# Altium PCB SOM Board with RK3399.PcbDoc (part 1 of 5) (continued)
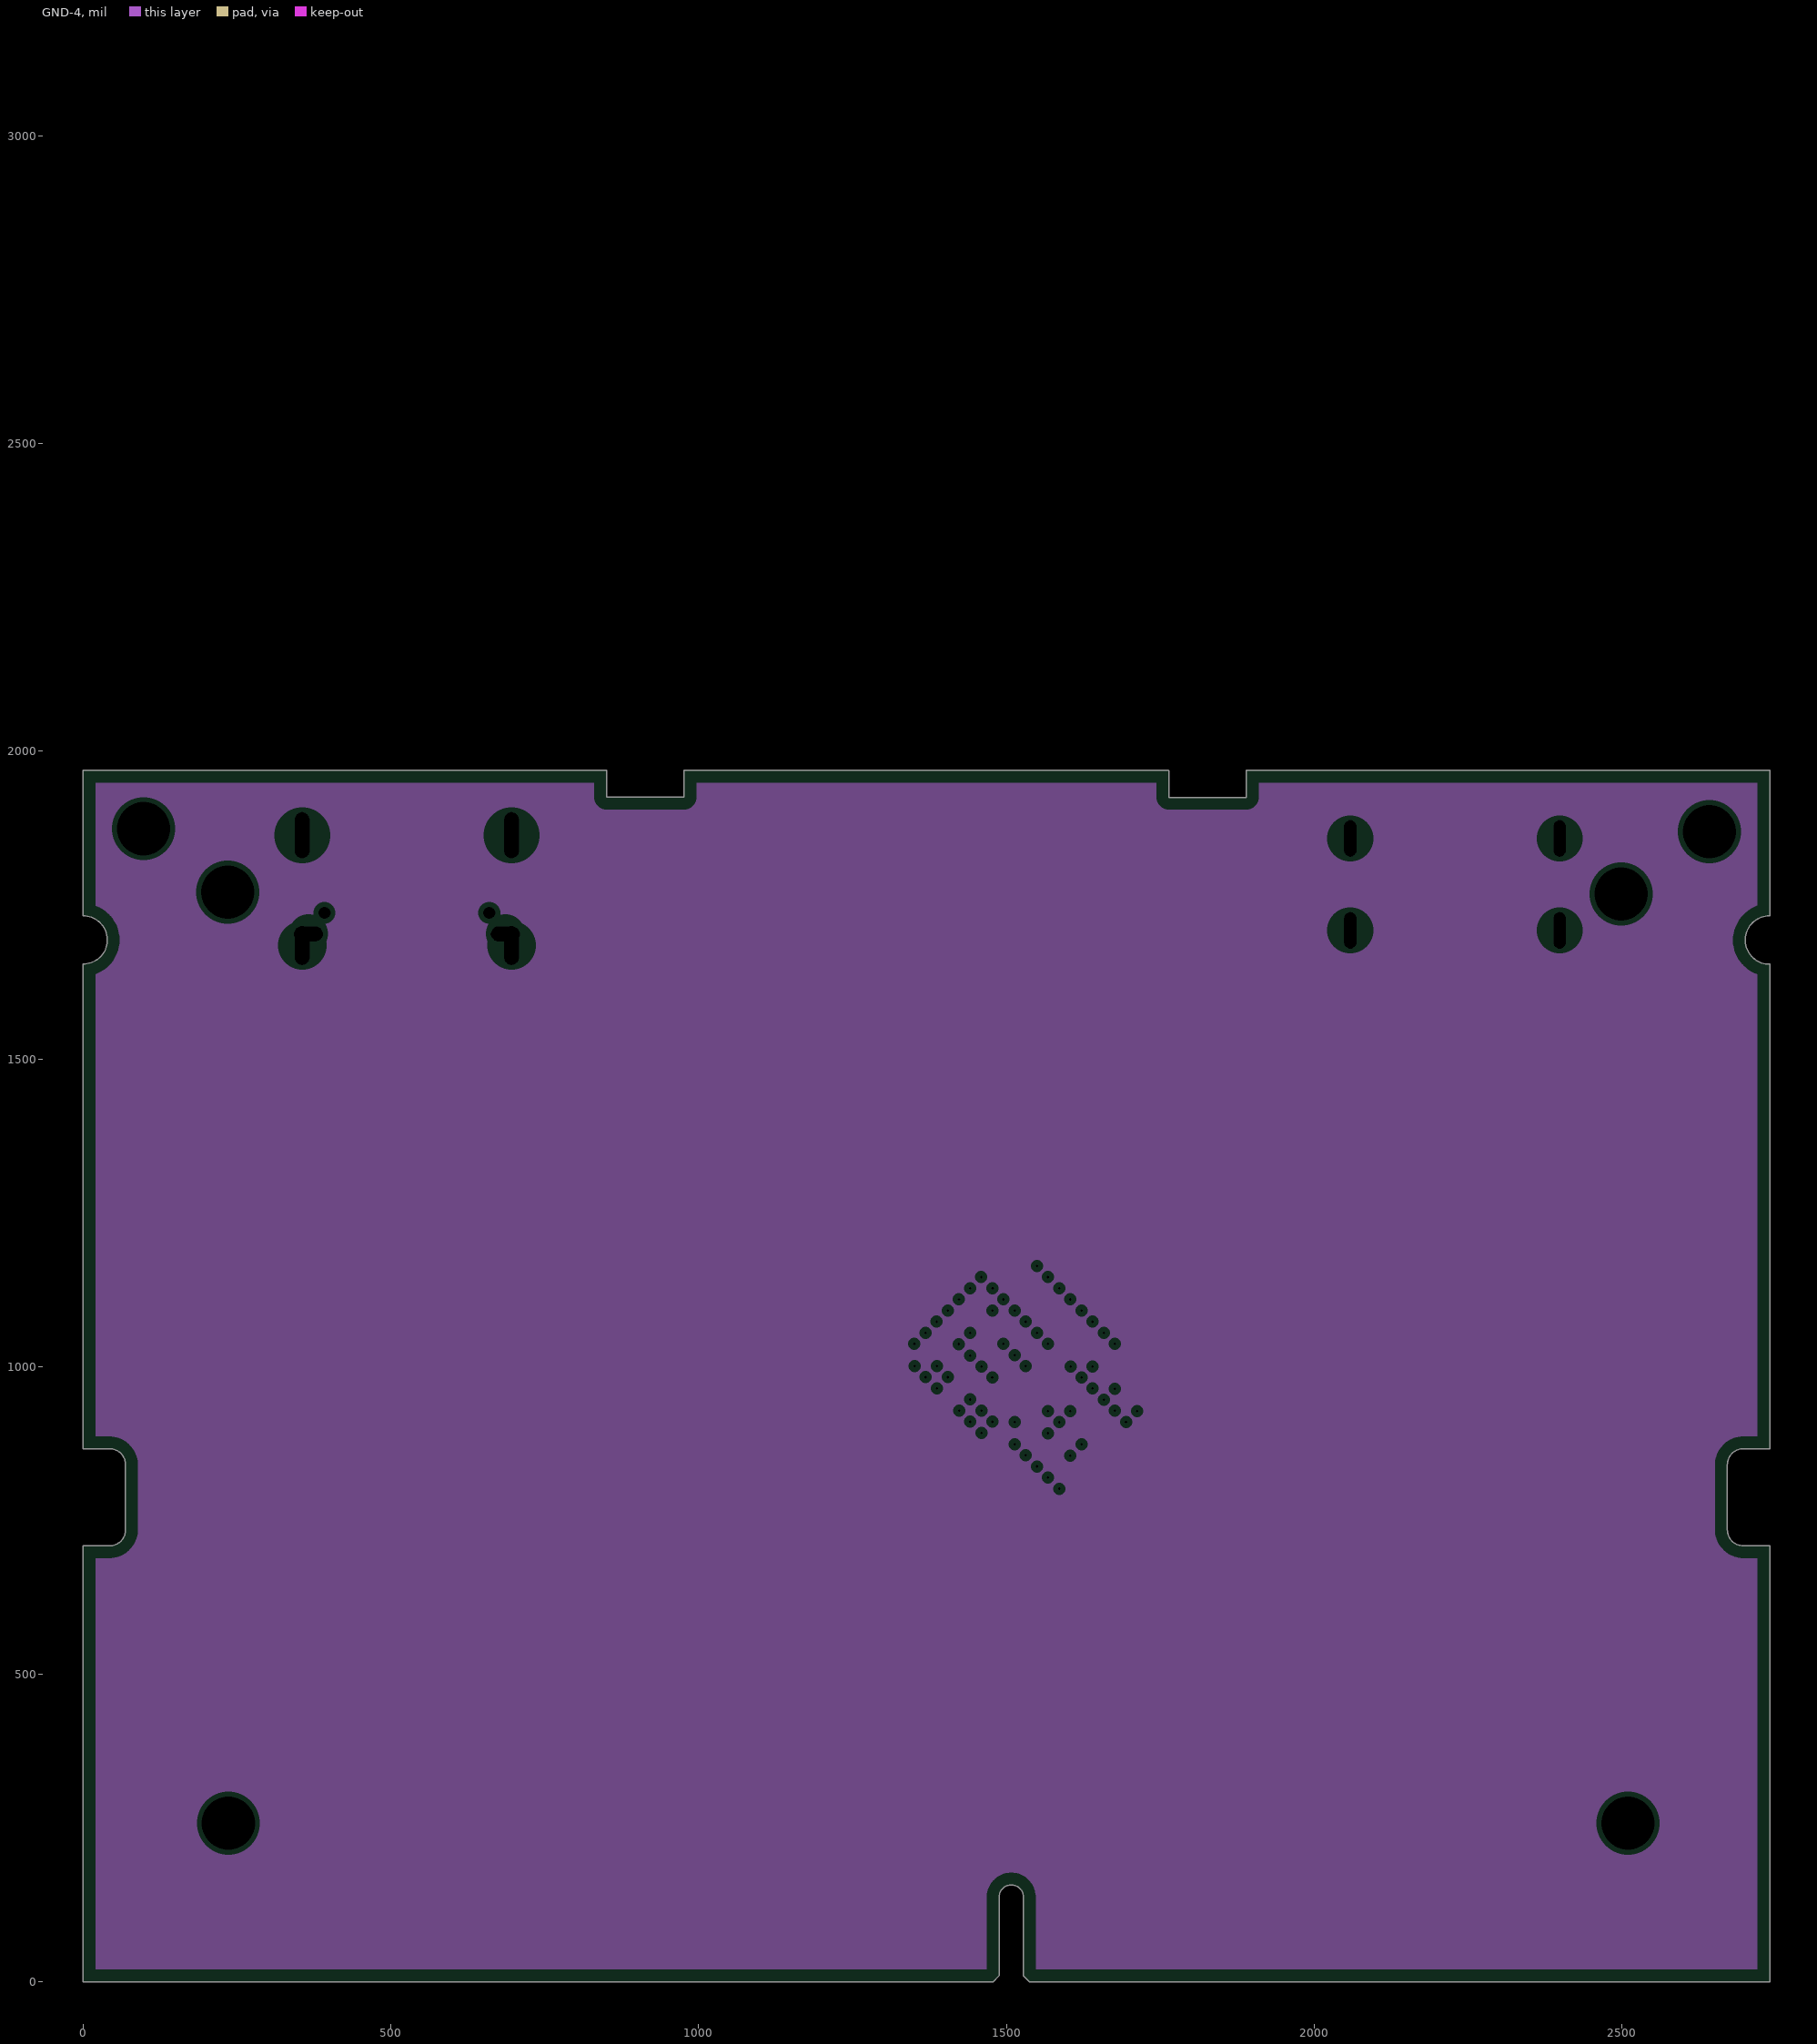
[diagram p7: GND-4, clearances drawn from the general rule]
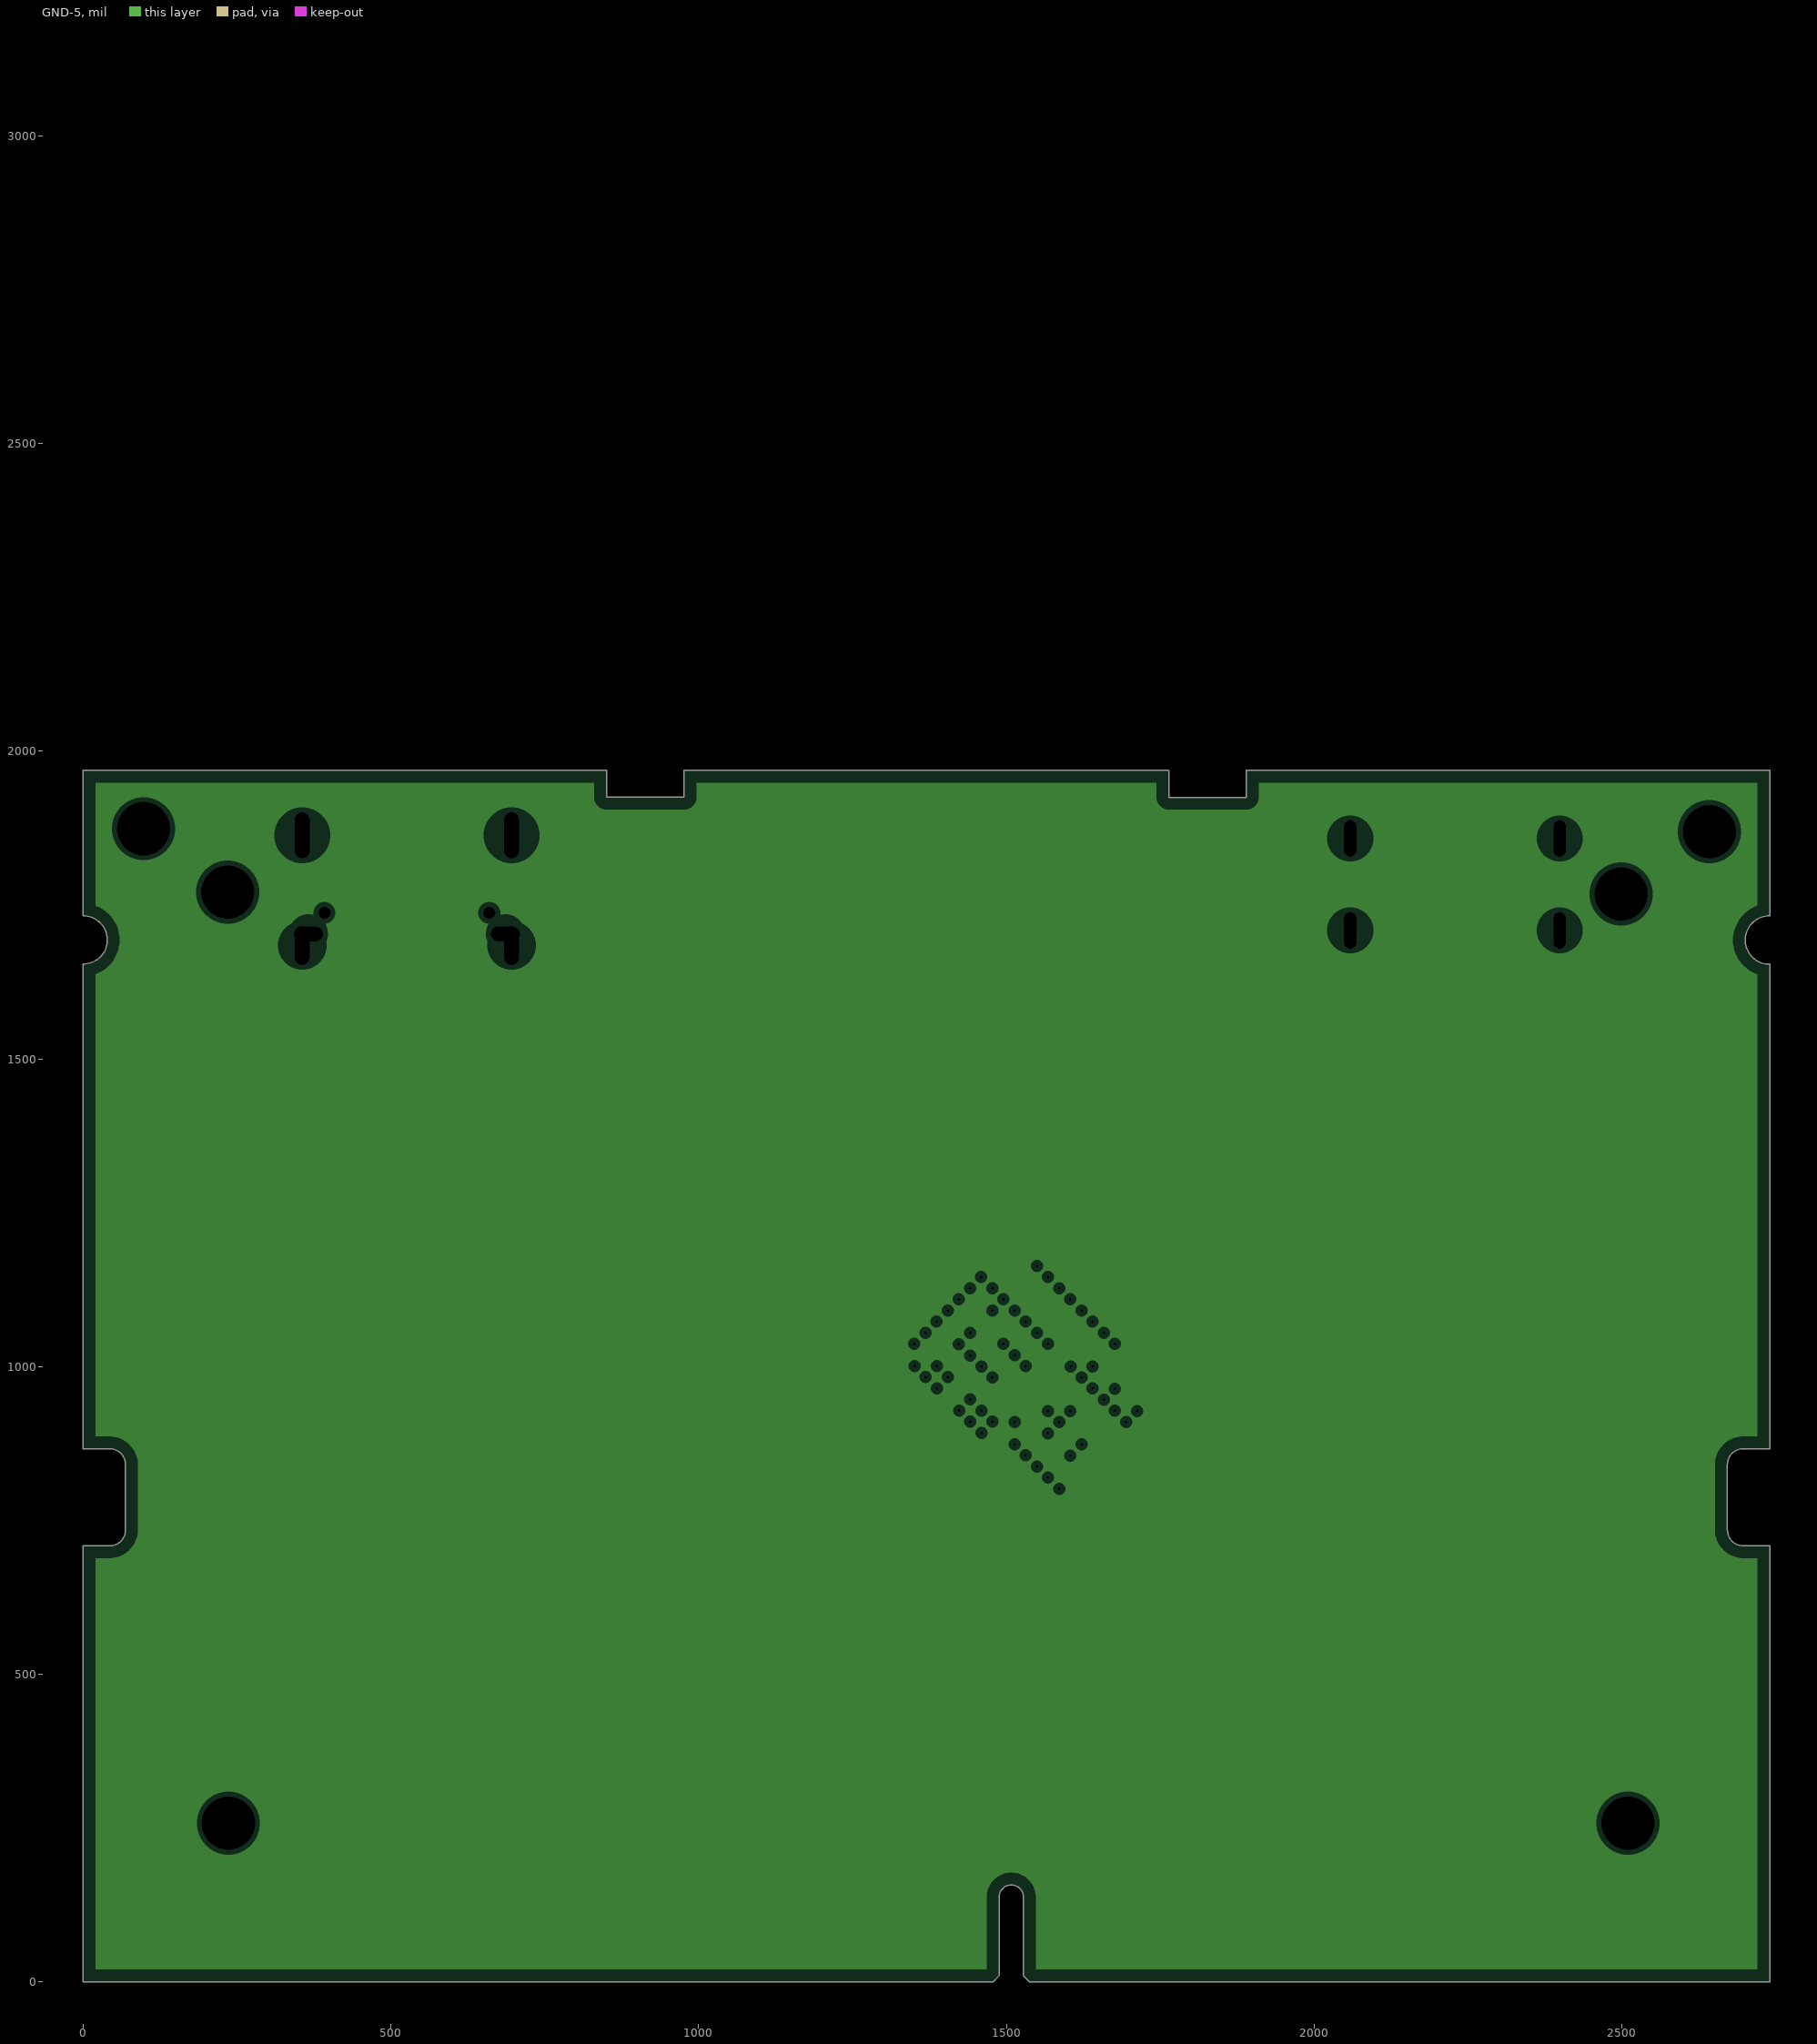
[diagram p8: GND-5, clearances drawn from the general rule]

## Layer stack, top to bottom
Top Solder: solder mask 0.5, Solder Resist, Dk 3.3
Top Layer: signal copper 0.59
Dielectric 2: prepreg 4.6, PP-016, Dk 4.3
GND-1: plane copper 1.378
Dielectric 4: core 5.51, PP-006, Dk 4.3
PWR-1: plane copper 1.378
Dielectric 6: prepreg 4.6, PP-016, Dk 4.3
PWR-2: plane copper 1.378
Dielectric 8: core 5.51, PP-006, Dk 4.3
GND-2: plane copper 1.378
Dielectric 10: prepreg 4.6, PP-016, Dk 4.3
L1: signal copper 1.378
Dielectric 1: core 5.51, FR-4, Dk 4.3
GND-3: plane copper 1.378
Dielectric 11: prepreg 4.6, PP-016, Dk 4.3
L2: signal copper 1.378
Dielectric 9: core 5.51, PP-006, Dk 4.3
GND-4: plane copper 1.378
Dielectric 7: prepreg 4.6, PP-016, Dk 4.3
L3: signal copper 1.378
Dielectric 5: core 5.51, PP-006, Dk 4.3
GND-5: plane copper 1.378
Dielectric 3: prepreg 4.6, PP-016, Dk 4.3
Bottom Layer: signal copper 1.378
Bottom Solder: solder mask 0.5, Solder Resist, Dk 3.3

## Board outline
0.02,0.17 1478.37,0.17 1488.21,10.01 1488.21,137.96 cw(c1507.9,137.96) 1507.9,157.65 cw(c1507.9,137.96) 1527.58,137.96 1527.58,10.01 1537.43,0.17 2740.18,0.17 2740.18,708.83 2696.87,708.83 cw(c2696.87,734.42) 2671.28,734.42 2671.28,840.72 cw(c2696.87,840.72) 2696.87,866.31 2740.18,866.31 2740.18,1653.77 cw(c2739.72,1693.06) 2739.72,1732.37 2740.18,1732.37 2740.18,1968.67 1889.92,1968.67 1889.92,1924.97 1763.82,1924.97 1763.82,1968.57 1763.72,1968.67 976.32,1968.67 976.32,1925.27 850.22,1925.27 850.22,1968.67 0.02,1968.67 0.02,1929.69 0.03,1929.7 ccw(c39.39,1929.1) 0.02,1929.3 0.02,1732.27 0.32,1732.27 cw(c0.32,1693.21) 0.02,1654.17 0.02,866.31 43.33,866.31 cw(c43.33,840.72) 68.92,840.72 68.92,734.42 cw(c43.33,734.42) 43.33,708.83 0.02,708.83

## Design rules (kind name [scope] priority, off if disabled: settings)
Clearance [All] p1: gap=3.94 ignorepadtopadclearanceinfootprint=TRUE
DiffPairsRouting HDMI_DIFF [InDifferentialPairClass('DIFF100_HDMI')] p1: maxlimit=5 minlimit=5 mostfreqgap=5 toplayer_minwidth=5.74 toplayer_maxwidth=5.74 toplayer_prefwidth=5.74 midlayer1_minwidth=1.91 midlayer1_maxwidth=1.91 midlayer1_prefwidth=1.91 midlayer2_minwidth=1.91 midlayer2_maxwidth=1.91 midlayer2_prefwidth=1.91 midlayer3_minwidth=1.91 midlayer3_maxwidth=1.91 midlayer3_prefwidth=1.91 bottomlayer_minwidth=4.95 bottomlayer_maxwidth=4.95 bottomlayer_prefwidth=4.95 impedanceprofiledriven=TRUE impedanceprofileid={AEC2E4FA-2CF0-455B-82FD-AB673FEF23BE} impedanceprofilevalue=100.000000 maxuncoupledlength=500
DiffPairsRouting [All] p2: maxlimit=10 minlimit=10 mostfreqgap=10 toplayer_minwidth=15 toplayer_maxwidth=15 toplayer_prefwidth=15 midlayer1_minwidth=15 midlayer1_maxwidth=15 midlayer1_prefwidth=15 midlayer2_minwidth=15 midlayer2_maxwidth=15 midlayer2_prefwidth=15 midlayer3_minwidth=15 midlayer3_maxwidth=15 midlayer3_prefwidth=15 bottomlayer_minwidth=15 bottomlayer_maxwidth=15 bottomlayer_prefwidth=15 maxuncoupledlength=500
PlaneClearance [All] p1: clearance=8
PlaneConnect [All] p1: planeconnectstyle=Relief reliefexpansion=20 reliefentries=4 reliefconductorwidth=10 reliefairgap=10
PolygonConnect [All] p1: connectstyle=Relief reliefconductorwidth=10 reliefentries=4 polygonreliefangle="90 Angle" airgapwidth=10
RoutingVias [All] p1: holewidth=3.94 width=10.63 viastyle="Through Hole" minholewidth=3.94 minwidth=7.87 maxholewidth=15.75 maxwidth=31.5
SolderMaskExpansion [All] p1: expansion=4 istentingtop=FALSE
Width "SDMMC Width" [InNetClass('50OHM_SDMMC')] p1: maxlimit=8.14 minlimit=3.23 preferedwidth=3.23 toplayer_minwidth=8.14 toplayer_prefwidth=8.14 midlayer1_maxwidth=3.23 midlayer2_maxwidth=3.23 midlayer3_maxwidth=3.23 bottomlayer_minwidth=7.78 bottomlayer_maxwidth=7.78 bottomlayer_prefwidth=7.78 impedanceprofiledriven=TRUE impedanceprofileid={0E4B3E3F-8771-4005-BE84-D295B6FD2265} impedanceprofilevalue=50.000000 minimp=50.000000 maximp=50.000000 favimp=50.000000
Width [All] p2: maxlimit=39.37 minlimit=3 preferedwidth=10.63
27 further rules are at their usual default settings.

## Classes and differential pairs
net class "HDMI SIG. GROUP": HDMI_HPD HDMI_TX0_N HDMI_TX0_P HDMI_TX1_N HDMI_TX1_P HDMI_TX2_N HDMI_TX2_P HDMI_TXCLK_N HDMI_TXCLK_P NetR6_1
differential pair class DIFF100_RJ45: MDI0 MDI1 MDI2 MDI3
net class "LAN SIG. GROUP": MDI0_N MDI0_P MDI1_N MDI1_P MDI2_N MDI2_P MDI3_N MDI3_P
differential pair class DIFF100_MIPI-DSI: MIPI_TX0_CLK MIPI_TX0_D0 MIPI_TX0_D1 MIPI_TX0_D2 MIPI_TX0_D3
differential pair class DIFF100_HDMI: HDMI_TX0 HDMI_TX1 HDMI_TX2 HDMI_TXCLK PCIE_REF_CLK PCIE_RX0 PCIE_RX1 PCIE_RX2 PCIE_RX3 PCIE_TX0 PCIE_TX1 PCIE_TX2 PCIE_TX3
differential pair class DIFF100_DDR_CLK: DDR0_CLK DDR0_CLK1 DDR1_CLK DDR1_CLK1
differential pair class DIFF90_USBTYPEC: C0_TX1 C0_TX2 TYPEC0_RX1 TYPEC0_RX2 TYPEC0_TX1 TYPEC0_TX2 TYPEC1_RX1 TYPEC1_RX2 TYPEC1_TX1 TYPEC1_TX2
differential pair class DIFF90_USB2.0: HOST0_D HOST1_D
differential pair class DIFF90_EDP: EDP_TX0 EDP_TX1 EDP_TX2 EDP_TX3 EDPAUX TX0 TX1 TX2 TX3
net class "USB2.0 SIG. GROUP": HOST0_D_N HOST0_D_P HOST1_D_N HOST1_D_P NetU1_AE26 NetU1_AL30
net class "TYPEC1 SIG. GROUP": NetR15_1 NetR16_1 TYPEC1_RX1_N TYPEC1_RX1_P TYPEC1_RX2_N TYPEC1_RX2_P TYPEC1_SBU1 TYPEC1_SBU1_DC TYPEC1_SBU2 TYPEC1_SBU2_DC TYPEC1_TX1_N TYPEC1_TX1_P TYPEC1_TX2_N TYPEC1_TX2_P
net class "TYPEC0 SIG. GROUP": C0_TX1_N C0_TX1_P C0_TX2_N C0_TX2_P NetR13_1 NetR14_1 TYPEC0_RX1_N TYPEC0_RX1_P TYPEC0_RX2_N TYPEC0_RX2_P TYPEC0_SBU1 TYPEC0_SBU1_DC TYPEC0_SBU2 TYPEC0_SBU2_DC TYPEC0_TX1_N TYPEC0_TX1_P TYPEC0_TX2_N TYPEC0_TX2_P
net class "PCIE SIG. GROUP": PCIE_REF_CLK_N PCIE_REF_CLK_P PCIE_RX0_N PCIE_RX0_P PCIE_RX1_N PCIE_RX1_P PCIE_RX2_N PCIE_RX2_P PCIE_RX3_N PCIE_RX3_P PCIE_TX0_N PCIE_TX0_P PCIE_TX1_N PCIE_TX1_P PCIE_TX2_N PCIE_TX2_P PCIE_TX3_N PCIE_TX3_P
net class "MIPI-DSI0 SIG. GROUP": MIPI_TX0_CLK_N MIPI_TX0_CLK_P MIPI_TX0_D0_N MIPI_TX0_D0_P MIPI_TX0_D1_N MIPI_TX0_D1_P MIPI_TX0_D2_N MIPI_TX0_D2_P MIPI_TX0_D3_N MIPI_TX0_D3_P NetR8_1
net class "MIPI-CSI1_SIG. GROUP": MIPI_TX1/RX1_CLK_N MIPI_TX1/RX1_CLK_P MIPI_TX1/RX1_D0_N MIPI_TX1/RX1_D0_P MIPI_TX1/RX1_D1_N MIPI_TX1/RX1_D1_P MIPI_TX1/RX1_D2_N MIPI_TX1/RX1_D2_P MIPI_TX1/RX1_D3_N MIPI_TX1/RX1_D3_P NetR21_1
net class "MIPI-CSI0_SIG. GROUP": MIPI_RX0_CLK_N MIPI_RX0_CLK_P MIPI_RX0_D0_N MIPI_RX0_D0_P MIPI_RX0_D1_N MIPI_RX0_D1_P MIPI_RX0_D2_N MIPI_RX0_D2_P MIPI_RX0_D3_N MIPI_RX0_D3_P NetR22_1
net class "EDP SIG. GROUP": EDP_TX0_N EDP_TX0_P EDP_TX1_N EDP_TX1_P EDP_TX2_N EDP_TX2_P EDP_TX3_N EDP_TX3_P EDPAUX_N EDPAUX_P NetR7_1 TX0_N TX0_P TX1_N TX1_P TX2_N TX2_P TX3_N TX3_P
net class DIFF100_MIPI-CSI: MIPI_RX0_CLK_N MIPI_RX0_CLK_P MIPI_RX0_D0_N MIPI_RX0_D0_P MIPI_RX0_D1_N MIPI_RX0_D1_P MIPI_RX0_D2_N MIPI_RX0_D2_P MIPI_RX0_D3_N MIPI_RX0_D3_P MIPI_TX1/RX1_CLK_N MIPI_TX1/RX1_CLK_P MIPI_TX1/RX1_D0_N MIPI_TX1/RX1_D0_P MIPI_TX1/RX1_D1_N MIPI_TX1/RX1_D1_P MIPI_TX1/RX1_D2_N MIPI_TX1/RX1_D2_P MIPI_TX1/RX1_D3_N MIPI_TX1/RX1_D3_P
net class DDR_G-4: DDR0_D24 DDR0_D25 DDR0_D26 DDR0_D27 DDR0_D28 DDR0_D29 DDR0_D30 DDR0_D31 DDR0_DM3 DDR0_DQS3_N DDR0_DQS3_P DDR1_D24 DDR1_D25 DDR1_D26 DDR1_D27 DDR1_D28 DDR1_D29 DDR1_D30 DDR1_D31 DDR1_DM3 DDR1_DQS3_N DDR1_DQS3_P
net class DDR_G-3: DDR0_D16 DDR0_D17 DDR0_D18 DDR0_D19 DDR0_D20 DDR0_D21 DDR0_D22 DDR0_D23 DDR0_DM2 DDR0_DQS2_N DDR0_DQS2_P DDR1_D16 DDR1_D17 DDR1_D18 DDR1_D19 DDR1_D20 DDR1_D21 DDR1_D22 DDR1_D23 DDR1_DM2 DDR1_DQS2_N DDR1_DQS2_P
net class DDR_G-2: DDR0_D8 DDR0_D9 DDR0_D10 DDR0_D11 DDR0_D12 DDR0_D13 DDR0_D14 DDR0_D15 DDR0_DM1 DDR0_DQS1_N DDR0_DQS1_P DDR1_D8 DDR1_D9 DDR1_D10 DDR1_D11 DDR1_D12 DDR1_D13 DDR1_D14 DDR1_D15 DDR1_DM1 DDR1_DQS1_N DDR1_DQS1_P
net class DDR_G-1: DDR0_D0 DDR0_D1 DDR0_D2 DDR0_D3 DDR0_D4 DDR0_D5 DDR0_D6 DDR0_D7 DDR0_DM0 DDR0_DQS0_N DDR0_DQS0_P DDR1_D0 DDR1_D1 DDR1_D2 DDR1_D3 DDR1_D4 DDR1_D5 DDR1_D6 DDR1_D7 DDR1_DM0 DDR1_DQS0_N DDR1_DQS0_P
net class "ADC SIG. GROUP": ADC_IN0 ADC_IN2 ADC_IN3 NetC60_2 RECOVERY
net class 50OHM_SDMMC: NetR2_1 SDIO_CLK SDIO_CMD SDIO_D0 SDIO_D1 SDIO_D2 SDIO_D3 SDMMC0_CLK SDMMC0_CMD SDMMC0_D0 SDMMC0_D1 SDMMC0_D2 SDMMC0_D3
net class 50OHM_SDIO: SDIO0_CLK SDIO0_CMD SDIO0_D0 SDIO0_D1 SDIO0_D2 SDIO0_D3
net class 50OHM_MAC: MAC_COL MAC_CRS MAC_MCLK MAC_MDC MAC_MDIO MAC_RXCLK MAC_RXD0 MAC_RXD1 MAC_RXD2 MAC_RXD3 MAC_RXDV MAC_RXER MAC_TXCLK MAC_TXD0 MAC_TXD1 MAC_TXD2 MAC_TXD3 MAC_TXEN NetR23_1 NetR24_1 NetR25_1 NetR26_1 NetR27_1 NetR28_1 NetR29_1
net class 50OHM_EMMC: EMMC_CLKO EMMC_CMD EMMC_D0 EMMC_D1 EMMC_D2 EMMC_D3 EMMC_D4 EMMC_D5 EMMC_D6 EMMC_D7 EMMC_STRB NetR1_1
net class 50OHM_DDR_Ctrl: DDR0_CKE0 DDR0_CKE1 DDR0_CS0N DDR0_CS1N DDR0_CS2N DDR0_CS3N DDR1_CKE0 DDR1_CKE1 DDR1_CS0N DDR1_CS1N DDR1_CS2N DDR1_CS3N
net class 50OHM_DDR_A: DDR0_A0 DDR0_A1 DDR0_A2 DDR0_A3 DDR0_A4 DDR0_A5 DDR1_A0 DDR1_A1 DDR1_A2 DDR1_A3 DDR1_A4 DDR1_A5
differential pair class DIFF100_DDR_DQS: DDR0_DQS0 DDR0_DQS1 DDR0_DQS2 DDR0_DQS3 DDR1_DQS0 DDR1_DQS1 DDR1_DQS2 DDR1_DQS3
net class 50OHM_DDR_D: DDR0_D0 DDR0_D1 DDR0_D2 DDR0_D3 DDR0_D4 DDR0_D5 DDR0_D6 DDR0_D7 DDR0_D8 DDR0_D9 DDR0_D10 DDR0_D11 DDR0_D12 DDR0_D13 DDR0_D14 DDR0_D15 DDR0_D16 DDR0_D17 DDR0_D18 DDR0_D19 DDR0_D20 DDR0_D21 DDR0_D22 DDR0_D23 DDR0_D24 DDR0_D25 DDR0_D26 DDR0_D27 DDR0_D28 DDR0_D29 DDR0_D30 DDR0_D31 DDR0_DM0 DDR0_DM1 DDR0_DM2 DDR0_DM3 DDR1_D0 DDR1_D1 DDR1_D2 DDR1_D3 DDR1_D4 DDR1_D5 DDR1_D6 DDR1_D7 DDR1_D8 DDR1_D9 DDR1_D10 DDR1_D11 DDR1_D12 DDR1_D13 DDR1_D14 DDR1_D15 DDR1_D16 DDR1_D17 DDR1_D18 DDR1_D19 DDR1_D20 DDR1_D21 DDR1_D22 DDR1_D23 DDR1_D24 DDR1_D25 DDR1_D26 DDR1_D27 DDR1_D28 DDR1_D29 DDR1_D30 DDR1_D31 DDR1_DM0 DDR1_DM1 DDR1_DM2 DDR1_DM3
component class [19]-DDR4_260_PIN_CON: FD1 FD2 FD3 FD4 FD5 FD6 FD7 FD8 J5 MH1 MH2 MH3 MH4 MH5 MH6 R109
component class [18]-SP3_PMIC_BLOCK: C259 C260 C261 C262 C263 C264 C265 C266 C267 C268 C269 C270 C271 C272 C273 C274 C275 C276 C277 C278 C279 C280 C281 C282 C283 C284 C285 C286 C287 C288 C289 C290 C291 C292 C293 C294 C295 C296 C297 C298 C299 C300 D4 D5 D6 L5 L6 L7 L8 Q3 Q4 R79 R80 R81 R82 R83 R84 R85 R86 R87 R88 R89 U14 Y3
component class [17]-SP2_BUCKs_GPU_LOG_CPU-B: C228 C229 C230 C231 C232 C233 C234 C235 C236 C237 C238 C239 C240 C241 C242 C243 C244 C245 C246 C247 C248 C249 L1 L2 L3 L4 Q1 Q2 R60 R61 R62 R63 R64 R65 R66 R67 R68 R69 R70 R71 R72 R73 R74 R75 U9 U10 U11 U12
component class [16]-SP1_TYPEC_PWR_IN: C315 C316 C317 C318 C319 C320 C321 C322 C323 C324 C325 C326 C327 C328 C329 C330 C331 C332 C333 C334 J4 L9 L10 Q5 R96 R97 R98 R99 R100 R101 R102 R103 R104 R105 R106 U17 U18 U19
component class [15]-Push_Button_&_SYS_LED: DS1 Q6 R107 R108 SW1 SW2 SW3
component class [14]-RGMII_PHY: C335 C336 C337 C338 C339 C340 C341 C342 C343 C344 C345 C346 C347 C348 C349 C350 C351 C352 C353 C354 L11 R110 R111 R112 R113 R114 R115 R116 R117 R118 R119 R120 R121 R122 R123 R124 R125 R126 R127 R128 R129 R130 R131 R132 U20 Y4
component class [13]-TYPEC0_PROG: C301 C302 C303 C304 C305 C306 C307 C308 C309 C310 C311 C312 C313 C314 D7 J3 R90 R91 R92 R93 R94 R95 U15 U16
component class "[12]-WIFI Module WF60": C216 C217 C218 C219 C221 C223 C224 C225 C226 C227 J1 J2 R51 R52 R53 R54 R55 R56 R57 R58 R59 U5 U6 U7 U8 Y1
component class "[11]-EMMC Chip": C92 C93 C208 C209 C210 C211 C212 C213 R50 U4
component class "[10]-LPDDR4 SDRAM-2": C163 C164 C165 C166 C167 C168 C169 C170 C171 C172 C173 C174 C175 C176 C177 C178 C179 C180 C181 C182 C183 C184 C185 C186 C187 C188 C189 C190 C191 C192 C193 C194 C195 C196 C197 C198 C199 C200 C201 C202 C203 C204 C205 C206 C207 FB7 R46 R47 R48 R49 U3
component class "[9]-LPDDR4 SDRAM-1": C118 C119 C120 C121 C122 C123 C124 C125 C126 C127 C128 C129 C130 C131 C132 C133 C134 C135 C136 C137 C138 C139 C140 C141 C142 C143 C144 C145 C146 C147 C148 C149 C150 C151 C152 C153 C154 C155 C156 C157 C158 C159 C160 C161 C162 FB6 R42 R43 R44 R45 U2
component class "[8]-RK3399 SDRAM Page": C100 C101 C102 C103 C104 C105 C106 C107 C108 C109 C110 C111 C112 C113 C114 C115 C116 C117 FB2 FB3 FB4 FB5 R40 R41
component class "[7]-RGMII_SDIO_SPI_GPIOs etc": C94 C95 C96 C97 C98 C99 R23 R24 R25 R26 R27 R28 R29 R30 R31 R32 R33 R34 R35 R36 R37 R38 R39
component class "[6]-MIPI-CSI_GPIOs and I2C": C88 C89 C90 C91 R17 R18 R19 R20 R21 R22
component class "[5]-USB2, TYPEC, USIC": C79 C80 C81 C82 C83 C84 C85 C86 C87 D2 D3 R9 R10 R11 R12 R13 R14 R15 R16
component class "[4]-RK3399 EDP_CSI_HDMI": C64 C65 C66 C67 C68 C69 C70 C71 C72 C73 C74 C75 C76 C77 C78 D1 R5 R6 R7 R8
component class [3]-RK3399_EMMC_ADC_PCIE: C56 C57 C58 C59 C60 C61 C62 C63 FB1 R1 R2 R3 R4
component class [2]-PMUIO_BLOCK: C250 C251 C252 C253 C254 C255 C256 C257 C258 FB8 FB9 FB10 R76 R77 R78 U13 Y2
component class "[1]-Power Pins Page of RK3399": C1 C3 C4 C5 C6 C7 C8 C9 C10 C11 C12 C13 C14 C15 C16 C17 C18 C19 C20 C21 C24 C25 C26 C27 C28 C29 C30 C31 C32 C33 C34 C35 C36 C37 C38 C39 C40 C41 C42 C43 C44 C45 C46 C47 C48 C49 C50 C51 C52 C53 C54 C55 U1
differential pair MDI3: +MDI3_P -MDI3_N
differential pair MDI2: +MDI2_P -MDI2_N
differential pair MDI1: +MDI1_P -MDI1_N
differential pair MDI0: +MDI0_P -MDI0_N
differential pair C0_TX2: +C0_TX2_P -C0_TX2_N
differential pair C0_TX1: +C0_TX1_P -C0_TX1_N
differential pair PCIE_TX3: +PCIE_TX3_P -PCIE_TX3_N
differential pair PCIE_TX2: +PCIE_TX2_P -PCIE_TX2_N
differential pair PCIE_TX1: +PCIE_TX1_P -PCIE_TX1_N
differential pair PCIE_TX0: +PCIE_TX0_P -PCIE_TX0_N
differential pair PCIE_RX3: +PCIE_RX3_P -PCIE_RX3_N
differential pair PCIE_RX2: +PCIE_RX2_P -PCIE_RX2_N
differential pair PCIE_RX1: +PCIE_RX1_P -PCIE_RX1_N
differential pair PCIE_RX0: +PCIE_RX0_P -PCIE_RX0_N
differential pair PCIE_REF_CLK: +PCIE_REF_CLK_P -PCIE_REF_CLK_N
differential pair TYPEC1_TX2: +TYPEC1_TX2_P -TYPEC1_TX2_N
differential pair TYPEC1_TX1: +TYPEC1_TX1_P -TYPEC1_TX1_N
differential pair TYPEC1_RX2: +TYPEC1_RX2_P -TYPEC1_RX2_N
differential pair TYPEC1_RX1: +TYPEC1_RX1_P -TYPEC1_RX1_N
differential pair TYPEC0_TX2: +TYPEC0_TX2_P -TYPEC0_TX2_N
differential pair TYPEC0_TX1: +TYPEC0_TX1_P -TYPEC0_TX1_N
differential pair TYPEC0_RX2: +TYPEC0_RX2_P -TYPEC0_RX2_N
differential pair TYPEC0_RX1: +TYPEC0_RX1_P -TYPEC0_RX1_N
differential pair TX3: +TX3_P -TX3_N
differential pair TX2: +TX2_P -TX2_N
differential pair TX1: +TX1_P -TX1_N
differential pair TX0: +TX0_P -TX0_N
differential pair MIPI_TX1/RX1_D3: +MIPI_TX1/RX1_D3_P -MIPI_TX1/RX1_D3_N
differential pair MIPI_TX1/RX1_D2: +MIPI_TX1/RX1_D2_P -MIPI_TX1/RX1_D2_N
differential pair MIPI_TX1/RX1_D1: +MIPI_TX1/RX1_D1_P -MIPI_TX1/RX1_D1_N
differential pair MIPI_TX1/RX1_D0: +MIPI_TX1/RX1_D0_P -MIPI_TX1/RX1_D0_N
differential pair MIPI_TX1/RX1_CLK: +MIPI_TX1/RX1_CLK_P -MIPI_TX1/RX1_CLK_N
differential pair MIPI_TX0_D3: +MIPI_TX0_D3_P -MIPI_TX0_D3_N
differential pair MIPI_TX0_D2: +MIPI_TX0_D2_P -MIPI_TX0_D2_N
differential pair MIPI_TX0_D1: +MIPI_TX0_D1_P -MIPI_TX0_D1_N
differential pair MIPI_TX0_D0: +MIPI_TX0_D0_P -MIPI_TX0_D0_N
differential pair MIPI_TX0_CLK: +MIPI_TX0_CLK_P -MIPI_TX0_CLK_N
differential pair MIPI_RX0_D3: +MIPI_RX0_D3_P -MIPI_RX0_D3_N
differential pair MIPI_RX0_D2: +MIPI_RX0_D2_P -MIPI_RX0_D2_N
differential pair MIPI_RX0_D1: +MIPI_RX0_D1_P -MIPI_RX0_D1_N
differential pair MIPI_RX0_D0: +MIPI_RX0_D0_P -MIPI_RX0_D0_N
differential pair MIPI_RX0_CLK: +MIPI_RX0_CLK_P -MIPI_RX0_CLK_N
differential pair HOST1_D: +HOST1_D_P -HOST1_D_N
differential pair HOST0_D: +HOST0_D_P -HOST0_D_N
differential pair HDMI_TXCLK: +HDMI_TXCLK_P -HDMI_TXCLK_N
differential pair HDMI_TX2: +HDMI_TX2_P -HDMI_TX2_N
differential pair HDMI_TX1: +HDMI_TX1_P -HDMI_TX1_N
differential pair HDMI_TX0: +HDMI_TX0_P -HDMI_TX0_N
differential pair EDPAUX: +EDPAUX_P -EDPAUX_N
differential pair EDP_TX3: +EDP_TX3_P -EDP_TX3_N
differential pair EDP_TX2: +EDP_TX2_P -EDP_TX2_N
differential pair EDP_TX1: +EDP_TX1_P -EDP_TX1_N
differential pair EDP_TX0: +EDP_TX0_P -EDP_TX0_N
differential pair DDR1_CLK: +DDR1_CLK_P -DDR1_CLK_N
differential pair DDR1_CLK1: +DDR1_CLK1_P -DDR1_CLK1_N
differential pair DDR0_DQS3: +DDR0_DQS3_P -DDR0_DQS3_N
differential pair DDR0_DQS2: +DDR0_DQS2_P -DDR0_DQS2_N
differential pair DDR0_DQS1: +DDR0_DQS1_P -DDR0_DQS1_N
differential pair DDR0_DQS0: +DDR0_DQS0_P -DDR0_DQS0_N
differential pair DDR0_CLK: +DDR0_CLK_P -DDR0_CLK_N
differential pair DDR0_CLK1: +DDR0_CLK1_P -DDR0_CLK1_N
differential pair DDR1_DQS3: +DDR1_DQS3_P -DDR1_DQS3_N
differential pair DDR1_DQS2: +DDR1_DQS2_P -DDR1_DQS2_N
differential pair DDR1_DQS1: +DDR1_DQS1_P -DDR1_DQS1_N
differential pair DDR1_DQS0: +DDR1_DQS0_P -DDR1_DQS0_N
